# KiCad board mtt_final.kicad_pcb (continued)
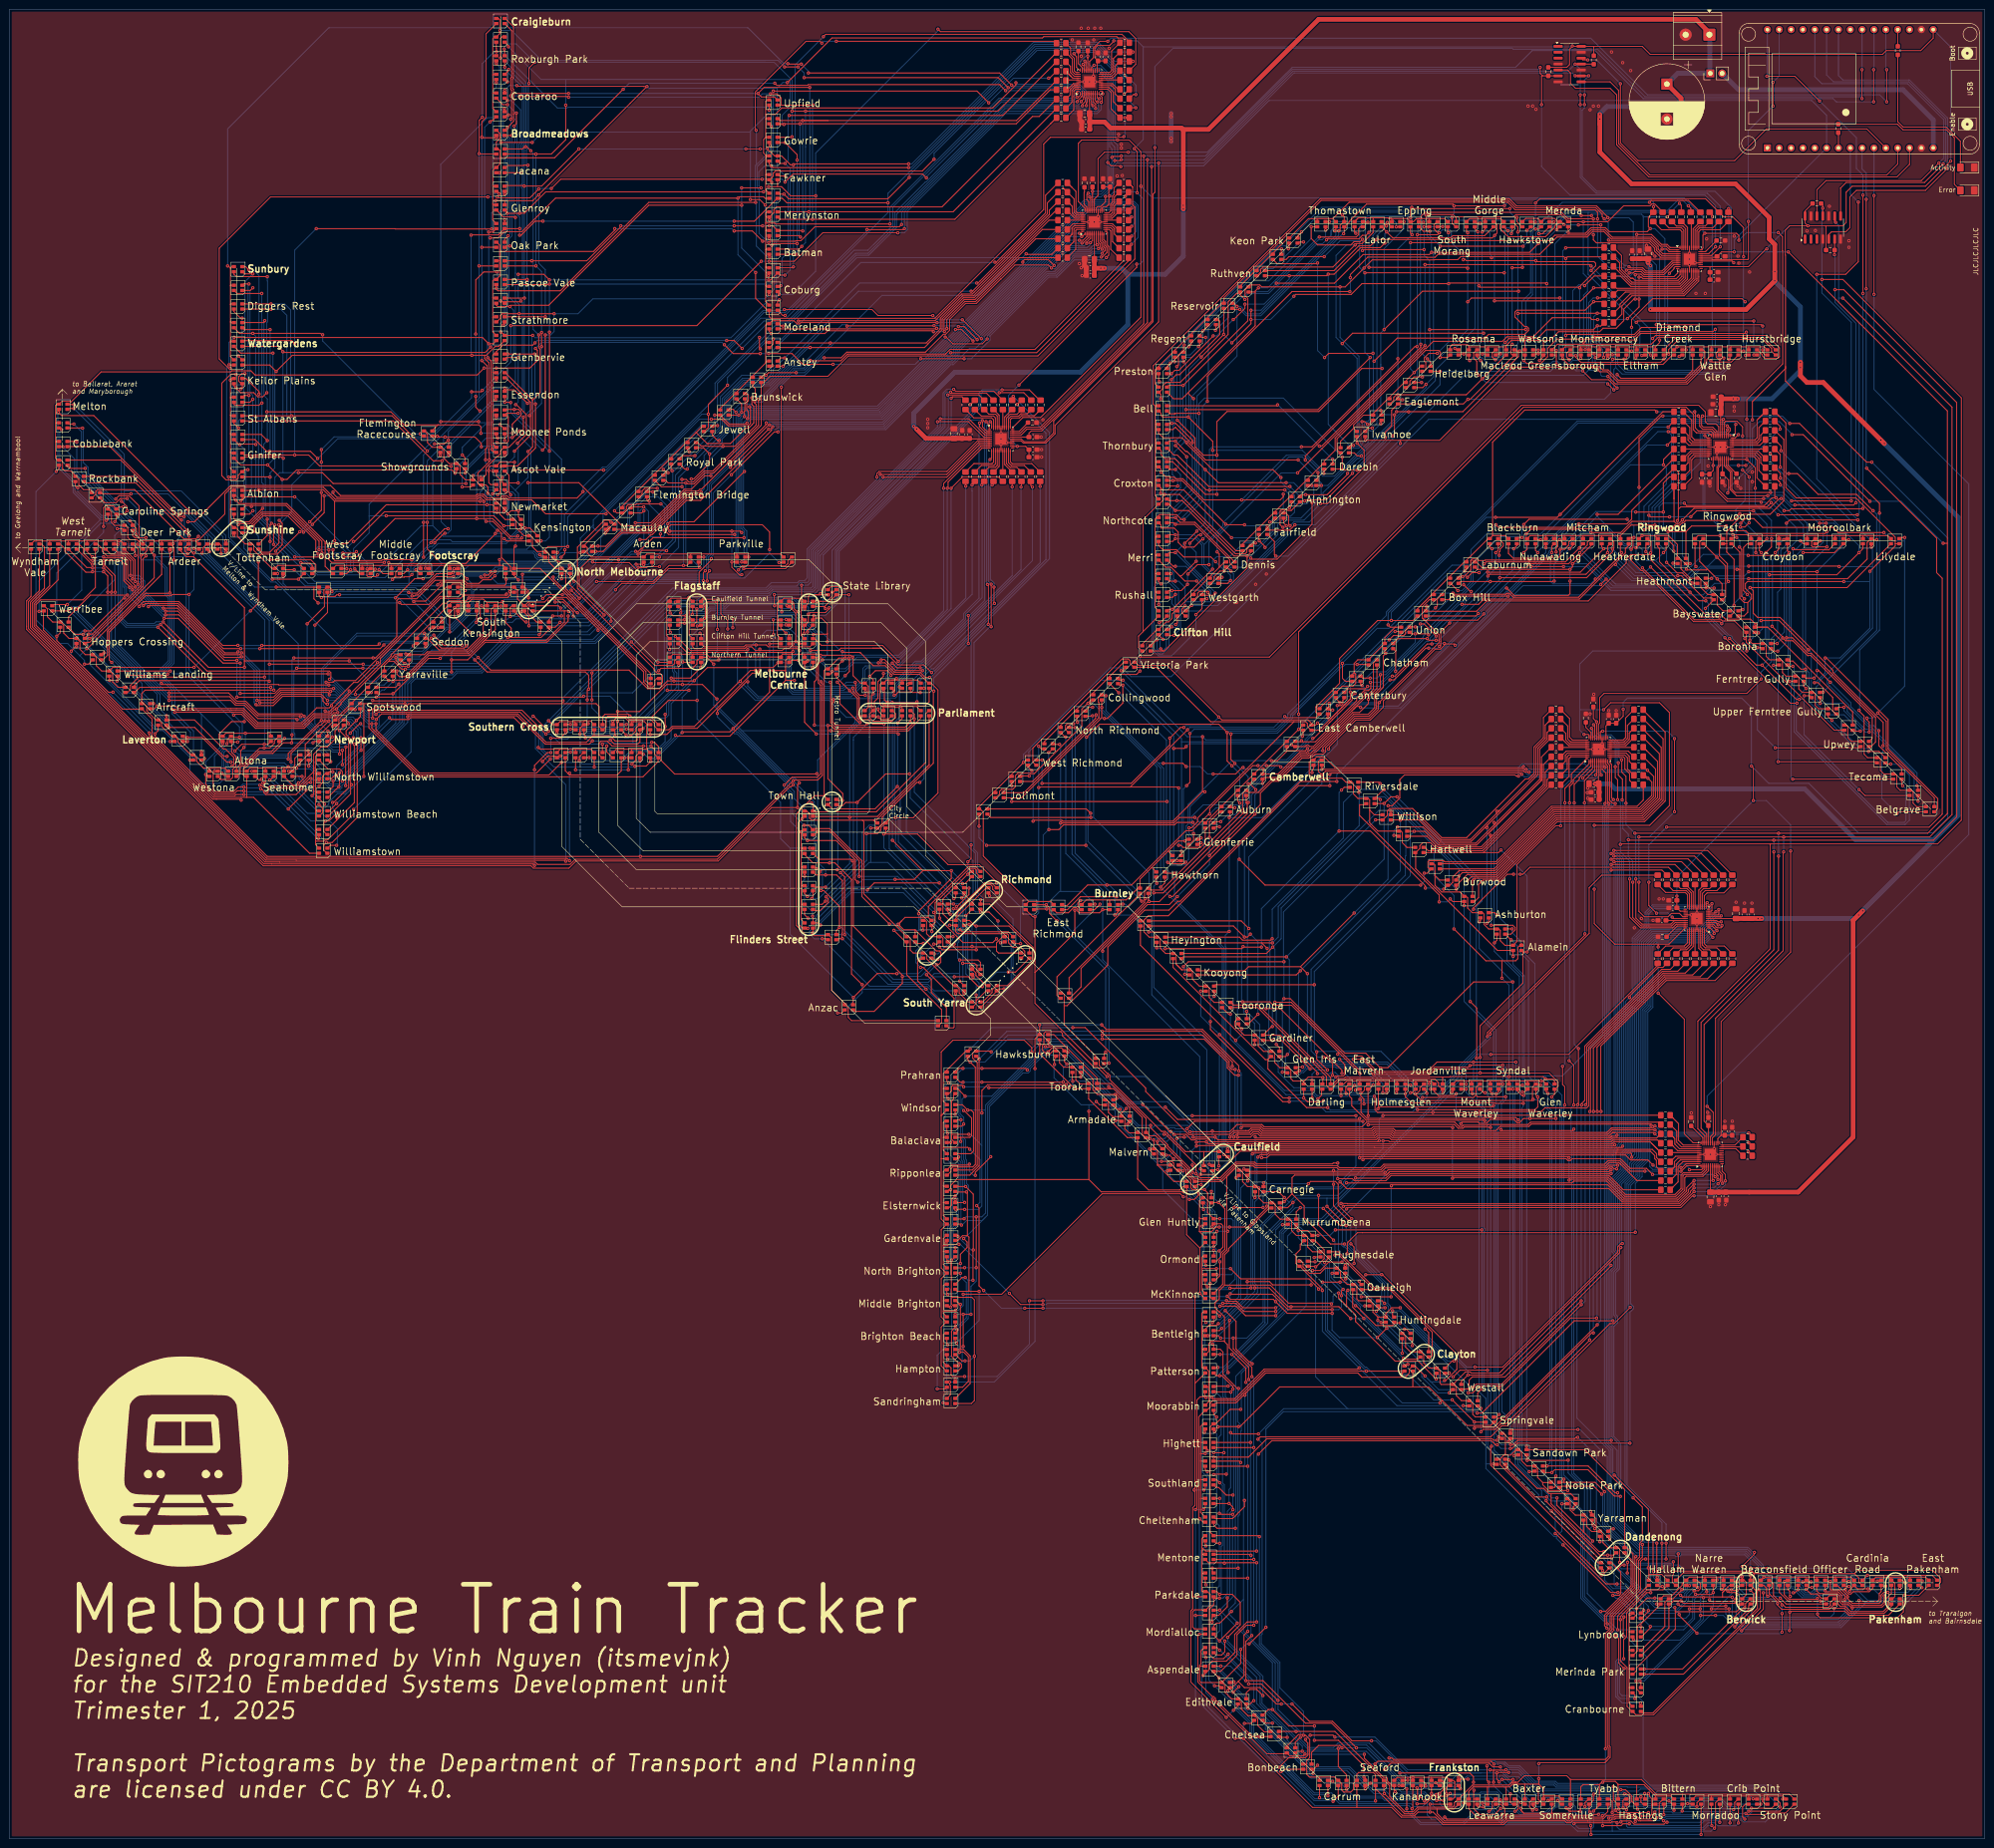
[diagram p0: board, top side]
## Routing (per net, layer and track width the routed paths; a pad name or vN(x,y) marks a point on that pad's centre or on a via; arc(x,y) is an arc through that point) (continued)
  Bottom w0.2: v1(14.66,289.79) 14.66,288.97 19.8,283.84 22.71,283.84 24.25,282.3 24.25,277.23 24.11,277.08 24.11,261.93 25.34,260.7 31.1,260.7 31.47,261.06 32.95,261.06 v1(32.98,261.03) ; v1(141.6,280.5) 141.8,280.7 141.8,285.65 141.83,285.68 141.83,286.77 v1(138.9,289.7) ; 78.67,248.34 83.86,253.54 87.92,253.54 93.88,259.5 94.95,259.5 99.95,264.5 v1(101.25,264.5) 104.39,264.5 105.6,263.29 v1(109.8,263.29) ; 78.67,248.34 77.21,248.34 v1(72.88,252.68) ; 78.67,248.34 78.67,247.85 79.03,247.49 80.35,247.49 v1(81.36,248.5) ; v1(50.37,239.65) 50.37,251.27 v1(50.4,251.3) ; v1(111.4,260.2) 124.3,260.2 134.96,270.86 156.7,270.86 157.02,271.17 v1(157.03,271.17) ; v1(157,280.2) 156.6,280.6 156.6,304.75 157,305.15 v1(157,306) 157.3,305.7 158.39,305.7 158.39,305.7 186.77,305.7 230.8,349.74 230.8,350.2 231,350.4 240.85,350.4 241.2,350.05 241.2,346.5 v1(240.6,345.9) ; v1(154.9,280.5) v1(154.9,273.9) ; v1(64.65,227.45) 65,227.1 66,227.1 v1(66.4,226.7) ; v1(55.25,224.6) 50.5,224.6 v1(50.3,224.8) ; v1(21.49,248.49) 21.49,248.21 24.45,245.25 24.48,245.25 31.6,238.13 33.14,238.13 42.1,229.17 v1(42.1,228.3) 42.1,231 45.73,234.63 v1(45.73,234.9)
Net-(D101-GK): length 421.1
  Top w0.2: v1(141.17,282.08) 141.58,282.5 146.77,282.5 157.57,293.3 v1(157.6,293.3) ; v1(137.98,288.92) 137.89,289 D83.4 ; 44.59,229 v1(43.98,229) 43.7,228.72 43.7,225.18 44.28,224.6 48.07,224.6 49.07,225.6 v1(50.3,225.6) ; v1(105.37,264.42) 104.28,264.42 ; v1(49.34,236.29) 47.74,236.29 ; v1(118.2,264) 117.7,264.5 D131.4 ; v1(66.4,225.8) 67.15,226.55 67.15,227.9 67.75,228.5 D113.4 68.58,228.88 v1(69.34,228.88) ; 47.42,236.5 46.74,235.82 46.74,235.02 v1(46.63,234.91) ; 103.98,264.42 103.3,263.73 103.3,259.07 98.45,254.22 89.75,254.22 84.84,249.3 83.6,249.3 83.1,249.8 v1(83.1,250.5) D119.4 ; v1(38.23,275.66) 37.68,276.21 37.68,277.09 38.34,277.75 ; 239.93,347.23 v1(240.6,347.9) ; v1(158.5,274.95) D89.4 ; v1(34.5,250.5) D95.4 ; v1(53.9,225.2) 54.1,225.2 54.6,224.7 54.6,224.4 55,224 61.48,224 64.08,226.6 v1(64.6,226.6) ; D137.4 26.57,292.25 v1(38.17,280.65) ; v1(111.5,264.64) 112.06,264.64 ; v1(158.27,304.66) 158.4,304.79 158.4,306.18 158.1,306.48 158.1,308.25 158.22,308.25 158.45,308.48 158.45,309.7 158.15,310 D77.4
  Bottom w0.2: v1(137.98,288.92) 137.98,287.88 138,287.86 ; 37.93,249.9 37.93,275.36 v1(38.23,275.66) 37.92,275.97 37.92,280.4 v1(38.17,280.65) ; 37.93,249.9 35.1,249.9 v1(34.5,250.5) ; 37.93,249.9 49.34,238.48 v1(49.34,236.29) ; v1(66.4,225.8) 65.1,225.8 64.6,226.3 v1(64.6,226.6) ; v1(43.98,229) 43.98,232.18 46.63,234.83 v1(46.63,234.91) ; v1(118.2,264) 118.54,264 134.8,280.26 134.8,286.02 136.64,287.86 138,287.86 ; v1(141.17,282.08) 141.15,282.1 141.15,282.44 141.05,282.54 141.05,283.75 141.05,283.75 141.05,285.9 139.09,287.86 138,287.86 ; v1(105.37,264.42) 105.6,264.64 v1(111.5,264.64) ; v1(240.6,347.9) 239.1,349.4 231.6,349.4 187.1,304.9 158.72,304.9 158.48,304.66 v1(158.27,304.66) 157.4,303.79 157.4,293.5 v1(157.6,293.3) 157.6,293.3 157.4,293.1 157.4,281.21 158.1,280.52 158.1,275.35 v1(158.5,274.95) ; v1(69.34,228.88) 69.34,228.02 69.91,227.44 70.52,227.44 70.98,227.9 71.44,227.9 82.85,239.31 82.85,250.5 82.85,250.5 v1(83.1,250.5) ; v1(53.9,225.2) 53.9,225.4 53.9,225.4 50.6,225.4 50.4,225.6 v1(50.3,225.6)
Net-(D101-RK): length 441.6
  Top w0.2: v1(70.17,228.05) 69.69,228.05 69.04,227.4 D113.1 ; v1(82.25,248.27) 82.2,248.32 82.2,248.54 ; D95.1 23.2,248.47 v1(23.09,248.36) ; 139.6,279.08 157.48,279.08 v1(157.5,279.1) ; 139.6,279.08 v1(139.6,279.9) ; 139.6,279.08 137.98,279.08 135.7,276.8 135.5,276.8 134.85,276.15 134.56,276.15 134.56,276.15 v1(134.28,276.15) ; D137.1 16.26,290.85 27.13,290.85 v1(38.53,279.45) ; v1(157.6,305.1) 157.6,306.2 157.7,306.3 D77.1 ; 101.45,256.65 104.2,259.4 D125.1 ; 101.45,256.65 98.62,253.82 89.92,253.82 84.65,248.54 82.2,248.54 ; 101.45,256.65 101.89,257.09 115.1,257.09 119,260.98 119,263.4 119,263.4 ; 82.2,248.54 D119.1 ; D83.1 136.7,287.21 136.97,286.94 v1(137.2,286.94) ; 119,263.4 D131.1 ; 119,263.4 119.8,263.4 v1(119.94,263.25) ; v1(48.1,241.06) 48.26,241.06 48.46,241.26 49.74,241.26 52.79,238.21 63.2,238.21 65.5,240.5 69.23,240.5 69.68,240.95 69.79,240.95 v1(69.8,240.93) ; v1(39.55,275.82) 39.28,275.82 D143.1 ; D101.1 45.37,227.23 47.44,227.23 47.9,227.69 47.9,229.4 48.55,230.05 48.55,232.15 47.66,233.03 47.66,235.27 v1(48.96,235.27) ; v1(38.53,266.92) 34.98,266.92 34.7,266.64 29.21,266.64 21.44,258.87 21.44,252.86 v1(21.95,252.35) ; 157.86,273.79 157.11,273.79 v1(157,273.9) ; 240.02,349.22 v1(240.6,349.8)
  Bottom w0.2: 74.77,234.33 71.92,231.48 71.53,231.48 70.17,230.12 v1(70.17,228.05) ; 74.77,234.33 74.76,234.34 74.76,237.99 72.94,239.8 70.9,239.8 69.8,240.9 v1(69.8,240.93) ; 74.77,234.33 79.27,238.84 79.27,245.81 79.88,246.42 80.4,246.42 v1(82.25,248.27) ; v1(157,273.9) 157.5,274.4 v1(157.5,279.1) 157.5,279.77 157.46,279.81 157.6,279.95 157.6,280.45 157,281.05 157,304.5 v1(157.6,305.1) 157.7,305.1 157.9,305.3 158.55,305.3 158.55,305.3 186.93,305.3 231.43,349.8 v1(240.6,349.8) ; v1(139.6,279.9) 139.62,279.92 139.62,283.78 137.2,286.2 v1(137.2,286.94) ; v1(23.09,248.36) 23.09,251.16 21.95,252.3 v1(21.95,252.35) ; v1(48.96,235.27) 49.17,235.27 49.94,236.04 49.94,239.23 38.53,250.64 v1(38.53,266.92) 39.55,267.94 v1(39.55,275.82) 38.53,276.84 v1(38.53,279.45) ; v1(119.94,263.25) 120.45,263.25 133.35,276.15 v1(134.28,276.15)
Net-(D102-BK): length 475.5
  Top w0.2: D96.2 25.35,245.9 25.95,246.5 25.95,247.42 27.73,249.2 v1(54.7,249.2) ; D126.2 106.4,260.9 107.6,259.7 v1(107.6,258.3) ; v1(71.4,226.9) 71.4,228.91 70.8,229.5 68.3,229.5 D114.2 ; 131.5,284.4 132.3,285.2 132.3,285.79 132.68,286.18 134.29,286.18 134.45,286.34 v1(139.7,286.34) ; v1(151.23,305.4) D78.2 154.3,303.5 157.96,303.5 v1(158.16,303.7) ; v1(201.82,318.78) 201.85,318.8 220.26,318.8 239.93,338.47 R38.2 ; D84.2 130.22,284.4 v1(129.75,284.86) ; 17.76,287.65 18.53,288.42 18.53,289.02 18.93,289.42 26.84,289.42 37.44,278.82 39.99,278.82 v1(40.54,279.37) ; v1(48.36,233.34) 49.81,234.79 v1(54.66,234.79) 55.46,234.79 D108.2 ; D120.2 84.67,252.13 v1(84.81,252.13) ; v1(113.6,258.3) 113.9,258.6 D132.2 ; v1(45.61,228.54) 46.09,228.05 46.75,228.05 ; v1(141.11,281.14) 141.11,281.18 141.8,281.87 161.43,281.87 162.99,280.31 v1(162.99,276.55) ; v1(39.55,276.81) 40.49,276.81 ; v1(165.02,273.78) 165.93,273.78
  Bottom w0.2: v1(162.99,276.55) 162.99,275.8 ; 162.99,275.8 v1(165.02,273.78) ; 162.99,275.8 157.65,270.46 136.6,270.46 124.43,258.29 106.6,258.29 100.44,252.13 v1(84.81,252.13) 84.2,251.52 84.2,239.52 71.58,226.9 v1(71.4,226.9) 71.4,226.72 70.95,226.28 68.85,226.28 62.51,232.61 49.1,232.61 v1(48.36,233.34) 48.01,233.7 46.1,233.7 45.61,233.21 v1(45.61,228.54) ; v1(158.16,303.7) 158.96,304.5 187.27,304.5 201.57,318.8 201.8,318.8 v1(201.82,318.78) ; v1(129.75,284.86) 139.64,294.75 139.87,294.75 148.67,303.55 150.85,303.55 151.23,303.93 v1(151.23,305.4) ; v1(54.66,234.79) 54.73,234.86 54.73,261.5 39.55,276.68 v1(39.55,276.81) 40.54,277.8 v1(40.54,279.37) ; v1(139.7,286.34) 140.45,285.59 140.45,281.95 141.11,281.29 v1(141.11,281.14)
Net-(D102-GK): length 435.7
  Top w0.2: v1(156.33,272.18) 156.33,272.27 157.11,273.05 166.4,273.05 166.92,273.57 166.92,274.18 167.69,274.95 ; 68.05,232.65 67.65,232.65 v1(67.5,232.5) ; D126.4 107.75,264.5 107.4,264.15 v1(107.4,262.2) ; v1(55.76,251.97) 75.84,251.97 v1(75.86,251.96) ; v1(26.09,288.51) 19.69,288.51 ; v1(155.8,306) 155.14,306.66 154.36,306.66 ; v1(140.43,280.73) 141.38,279.78 v1(155.5,279.78) ; 239.93,341.43 v1(240.55,342.05) ; 57.8,236.5 56.82,235.52 56.82,234.99 55.82,233.99 v1(54.64,233.99) 53.69,233.99 50.65,230.95 50.2,230.5 49.57,230.5 48.7,229.63 D102.4 ; v1(136,285.7) 133.4,285.7 ; v1(55.73,248.3) 55.58,248.45 27.88,248.45 26.7,247.27 D96.4 ; v1(85,254.14) 85.56,254.14 ; v1(118.39,262.32) 116.5,262.32 115.7,261.52 D132.4 ; D120.4 88.97,254 89.59,254.62 98.28,254.62 101.6,257.93 101.6,260.9 v1(102.3,261.6) ; 42.31,277.71 41.54,276.94 41.54,276 v1(41.31,275.77) ; v1(43.55,277.71) 42.74,277.71
  Bottom w0.2: v1(85,254.14) 84.86,254.28 81.91,254.28 79.32,251.7 76.12,251.7 v1(75.86,251.96) ; v1(67.5,232.5) 66.01,233.99 v1(54.64,233.99) 54.72,233.99 55.41,234.67 55.41,247.98 v1(55.73,248.3) 55.73,251.97 ; v1(43.55,277.71) 43.55,278.96 34,288.51 v1(26.09,288.51) ; v1(140.43,280.73) 140.43,279.53 140.2,279.3 137.6,279.3 137.03,279.87 137.03,284.76 136.09,285.7 v1(136,285.7) 135.21,284.91 135.21,280.1 118.39,263.28 v1(118.39,262.32) ; 55.73,251.97 v1(55.76,251.97) ; 55.73,251.97 55.73,261.35 v1(41.31,275.77) ; 240.6,342.1 242,343.5 242,350.38 241.18,351.2 230.67,351.2 230,350.53 230,350.07 187.83,307.9 187.8,307.9 186.4,306.5 158.3,306.5 157.8,307 156.59,307 155.8,306.22 v1(155.8,306) 155.8,280.08 v1(155.5,279.78) 155.73,279.78 155.77,279.75 155.77,272.74 v1(156.33,272.18) ; v1(102.3,261.6) 106.8,261.6 v1(107.4,262.2) 116.4,262.2 v1(116.5,262.3)
Net-(D102-RK): length 447
  Top w0.2: 108.15,263.4 110.52,261.03 v1(110.8,261.03) ; R36.2 240.51,343.8 v1(240.6,343.8) ; 26.84,245.87 27.97,247 v1(56.05,247) ; v1(136.04,284.87) 135.58,284.4 D84.1 ; v1(118.08,260.94) 117.03,259.9 116.21,259.9 ; v1(25.25,287.5) 23.81,287.5 22.9,286.6 20.5,286.6 D138.1 ; v1(157.45,272.45) 166.4,272.45 D90.1 ; v1(42.9,276.1) 42.45,276.55 ; v1(106.86,257.69) 114,257.69 116.21,259.9 ; 116.21,259.9 D132.1 ; v1(68.9,231.04) 68.56,231.04 D114.1 ; v1(156.4,305.4) D78.1 ; D120.1 85.7,251.72 v1(85.49,251.51) 84.1,251.51 82.87,252.74 v1(82.87,253.4) ; 48.78,227.9 49.5,228.62 49.5,229.87 49.73,230.1 50.37,230.1 50.53,230.27 53.33,233.07 53.48,233.22 56.19,233.22 v1(59,236.03) ; v1(61.6,251.1) v1(75.8,251.1)
  Bottom w0.2: v1(56.05,247) 56.05,236.85 56.87,236.03 v1(59,236.03) 61.2,236.03 ; v1(240.6,343.8) 241.6,344.8 241.6,350.22 241.02,350.8 230.83,350.8 230.4,350.37 230.4,349.9 186.6,306.1 158.22,306.1 158.1,306.1 157.6,306.6 156.75,306.6 156.4,306.25 v1(156.4,305.4) 156.2,305.2 156.2,279.33 156.19,279.32 156.19,273.64 157.38,272.45 ; v1(85.49,251.51) 100.68,251.51 v1(106.86,257.69) ; 157.38,272.45 157.38,272.38 156.26,271.26 136.37,271.26 135.41,272.22 ; 157.38,272.45 v1(157.45,272.45) ; v1(25.25,287.5) 27.79,284.97 36.98,284.97 42.57,279.37 42.57,276.43 v1(42.9,276.1) 42.9,275.39 61.95,256.34 61.95,251.45 v1(61.6,251.1) 61,250.5 61,237.25 61.22,237.03 61.22,236.05 61.2,236.03 ; 61.2,236.03 65.07,236.03 68.9,232.2 v1(68.9,231.04) ; v1(136.04,284.87) 136.04,276.97 135.41,276.34 135.41,272.22 ; v1(75.8,251.1) 79.29,251.1 81.19,253 82.47,253 v1(82.87,253.4) ; v1(110.8,261.03) 111.01,260.82 117.96,260.82 v1(118.08,260.94) 124.14,260.94 135.41,272.22
Net-(D103-BK): length 466.6
  Top w0.2: D139.2 21.15,282.97 20.98,282.8 v1(20.79,282.8) ; v1(43.55,276.88) 44.42,276.88 ; v1(127.8,280.08) 127.91,280.08 128.62,280.78 v1(128.62,281.28) 128.28,281.28 D85.2 ; 149.01,301.9 149.86,302.76 v1(149.86,305.6) 149.86,307.71 v1(153.97,311.82) ; D97.2 30.6,240.2 30.6,236.58 43.78,223.4 50.9,223.4 ; v1(198.12,323.3) 198.1,323.3 197.9,323.5 175.45,323.5 174.85,322.9 v1(163.37,322.9) 162.9,323.37 D73.2 ; D133.2 10.65,306.15 v1(10.5,306) 11.2,305.3 18.1,305.3 36.4,287 36.4,286.96 v1(38.38,284.98) ; D109.2 64.36,211.4 52.36,223.4 50.9,223.4 ; 50.9,223.4 D103.2 50.45,227.9 50.15,228.2 50.15,229.42 50.38,229.65 50.49,229.65 53.65,232.82 56.45,232.82 58.74,235.1 v1(60.5,235.1) 60.6,235.2 v1(60.6,236.8) ; v1(65.1,235.1) 65.4,235.4 D115.2 ; 28.33,242.33 24.26,242.33 7.29,259.3 7.29,263.29 v1(6.37,263.29) ; 87.1,256.4 v1(86.6,255.9) ; R23.2 220.05,343.22 207,330.17 204.69,330.17 200.4,325.87 200.4,323.43 v1(200.47,323.35) ; v1(104.11,270.92) 103.26,270.07 101.5,270.07 100.73,269.3 98.17,269.3 97.52,269.95 91.29,269.95 87.33,266 86.95,266 83.45,266 83.07,265.62 83.07,257.87 78.5,253.3 v1(78,253.3) v1(61,253.3)
  Bottom w0.2: v1(153.97,311.82) 153.97,313.49 v1(163.37,322.9) ; 19.51,282.98 20.6,282.98 v1(20.79,282.8) ; 19.51,282.98 13.66,288.84 13.66,290.95 10.4,294.21 10.4,305.9 v1(10.5,306) ; 19.51,282.98 6.37,269.84 v1(6.37,263.29) ; v1(78,253.3) 79.79,253.3 81.63,255.14 85.84,255.14 v1(86.6,255.9) ; v1(198.12,323.3) 200.42,323.3 v1(200.47,323.35) ; v1(43.55,276.88) 43.56,276.88 44.18,277.5 ; 43.79,277.11 44.15,277.46 44.15,279.21 v1(38.38,284.98) ; v1(149.86,305.6) 148.47,305.6 127.3,284.43 127.3,282.59 v1(128.62,281.28) ; v1(65.1,235.1) v1(60.5,235.1) ; v1(127.8,280.08) 126.8,279.08 126.8,276.4 125.95,275.55 124.52,275.55 120.76,271.8 117.13,271.8 116.94,271.99 105.06,271.99 104.88,271.82 104.88,271.68 104.1,270.9 ; v1(60.6,236.8) 60.6,252.9 v1(61,253.3)
Net-(D103-GK): length 453.4
  Top w0.2: v1(165.9,324.5) 165.55,324.5 165.09,324.96 164.74,324.96 ; D109.4 68.8,213.1 v1(70.17,213.1) ; v1(218,340) 218.12,339.88 223.49,339.88 R22.2 ; D91.4 9.47,264.76 v1(12.44,264.76) ; v1(101,258.21) 101,257.9 98.12,255.02 92.13,255.02 89.65,257.5 D121.4 89.2,258.55 89.14,258.61 v1(89.01,258.61) ; v1(20.19,281.5) 20.19,285.52 20.57,285.9 22.3,285.9 D139.4 23.4,285.7 v1(24.42,285.7) ; v1(52,229) D103.4 ; v1(13.84,307.66) 13.83,307.67 12.53,307.67 ; v1(68.32,237.61) 68.2,237.49 D115.4 ; v1(59.8,231.61) 59.8,232.8 v1(66.9,239.9) ; v1(30.91,243.51) 30.21,243.51 ; v1(127.52,262.52) 121.8,268.24 121.8,277.07 127.59,282.86 128.54,282.86 v1(129,282.4) 129.3,282.4 D85.4 ; 150.85,303.15 v1(151.83,303.15) ; D127.4 46.45,278.36 v1(46.41,278.4)
  Bottom w0.2: 24.64,289.14 36.84,289.14 46.42,279.56 46.42,278.41 v1(46.41,278.4) 46.51,278.3 47.36,278.3 56.06,269.6 57.11,269.6 71.31,255.4 ; 24.64,289.14 24.64,285.92 v1(24.42,285.7) ; 24.64,289.14 24.64,297 13.98,307.66 v1(13.84,307.66) ; 71.31,255.4 74.52,258.61 89,258.61 v1(89.01,258.61) ; 71.31,255.4 66.9,250.99 66.9,239.03 v1(68.32,237.61) ; v1(218,340) 217.2,339.2 181.7,339.2 167.06,324.56 165.96,324.56 v1(165.9,324.5) 165.84,324.56 164.17,324.56 151.83,312.23 v1(151.83,303.15) 148.83,303.15 140.04,294.35 139.95,294.35 131.85,286.25 131.85,284.96 129.29,282.4 v1(129,282.4) ; v1(20.19,281.5) 20.19,280.22 15.52,275.54 15.52,267.84 v1(12.44,264.76) 12.44,263.84 28.45,247.83 28.45,245.98 v1(30.91,243.51) ; v1(127.52,262.52) 123.9,258.9 106.64,258.9 106.04,258.3 101.09,258.3 v1(101,258.21) ; v1(70.17,213.1) 70.32,213.25 70.32,216.66 67.01,219.96 63.9,219.96 54.86,229 v1(52,229) 48.05,229 46.9,230.15 46.9,231.2 47.25,231.55 48.64,231.55 48.9,231.81 59.39,231.81 59.59,231.61 v1(59.8,231.61)
Net-(D103-RK): length 449.9
  Top w0.2: v1(13.84,306.83) 12.63,306.83 ; v1(78.92,252.3) 74.67,248.05 73.82,248.05 69.07,243.3 v1(69.07,243.08) 68.59,242.6 65.9,242.6 62.7,239.41 53.29,239.41 50.24,242.46 48.68,242.46 48.68,242.46 47.52,242.46 47.52,242.46 36.14,242.46 35.6,243 v1(31.69,243) 31.09,242.4 D97.1 ; D91.1 12.74,263.4 v1(13.27,263.93) ; 23.52,284.15 22.9,283.52 22.9,282.82 v1(22.61,282.54) ; 23.52,284.15 24.54,284.15 v1(25.25,284.86) 25.25,285.75 24.12,286.88 v1(24.04,286.88) ; 23.52,284.15 D139.1 ; v1(152.2,299.95) 151.85,299.95 150.7,301.1 D79.1 ; D85.1 137.25,280.9 144.82,288.47 144.83,288.47 145.07,288.7 148.1,288.7 v1(148.3,288.9) ; D73.1 198.65,323.9 198.77,324.02 v1(198.8,324.02) ; 68.09,211.4 67.43,212.06 67.43,213.17 v1(67.98,213.71) 69.21,213.71 74.58,219.08 74.58,235.38 v1(73.76,236.2) ; v1(69.23,236.34) 68.29,235.4 ; v1(40.1,284.33) v1(36.76,284.33) ; v1(201,323.96) 201,325.91 204.86,329.77 207.17,329.77 216.57,339.17 R21.2 ; D103.1 53.55,227.05 53.82,227.05 v1(54.06,227.3) ; v1(89.27,255.73) 89.2,255.8 D121.1 ; v1(46.45,276) D127.1
  Bottom w0.2: v1(31.69,243) 31.69,245.51 v1(13.27,263.93) 13.67,264.33 16.83,264.33 22.6,270.1 22.6,279.6 23.75,280.75 23.75,281.67 22.89,282.54 v1(22.61,282.54) ; v1(40.1,284.33) 40.8,284.33 41.55,283.58 41.55,283.55 45.81,279.3 45.81,276.14 45.95,276 v1(46.45,276) ; 70.03,238.34 72.99,238.34 73.76,237.57 v1(73.76,236.2) ; 70.03,238.34 69.23,237.53 v1(69.23,236.34) ; 70.03,238.34 70.03,238.72 69.1,239.65 69.1,243.05 v1(69.07,243.08) ; v1(133.61,281.1) 133.61,281 132.48,279.87 131.44,279.87 125.73,274.17 125.73,273.53 120.65,268.45 100.45,268.45 99.51,267.51 99.51,264.65 94.76,259.9 93.71,259.9 88.55,254.74 81.8,254.74 79.36,252.3 v1(78.92,252.3) ; v1(54.06,227.3) 54.38,227.3 v1(67.98,213.71) ; v1(25.25,284.86) 25.75,284.36 31.8,284.36 31.83,284.33 v1(36.76,284.33) ; v1(13.84,306.83) 24.04,296.62 v1(24.04,286.88) ; v1(201,323.96) 201,323.95 198.86,323.95 v1(198.8,324.02) ; v1(175,323.9) 174.74,323.9 167.66,316.81 167.66,316.81 162.95,312.1 157.7,312.1 154.04,308.44 154.04,302.07 152.2,300.23 152.2,299.95 v1(152.2,299.95) 152.2,299.85 152.13,299.77 151.97,299.77 148.95,296.75 148.95,289.55 v1(148.3,288.9)
Net-(D104-BK): length 466.4
  Top w0.2: v1(54.36,226.47) 54.68,226.47 54.9,226.7 D104.2 ; v1(22.23,245.96) 21.21,245.96 10.17,257 v1(10.17,257.95) 10.9,258.69 D92.2 ; 163.01,319.9 163.78,320.67 v1(163.78,321.7) ; D86.2 122.89,275.89 v1(122.4,275.89) ; v1(66.25,214.59) 66.4,214.74 D110.2 ; v1(82.8,266.2) 86.9,270.3 v1(88.7,270.3) ; D98.2 31.9,237.68 v1(31.23,237.01) 31.23,236.52 43.94,223.8 48.4,223.8 48.6,224 v1(50.3,224) ; v1(68.5,239.8) 63.44,234.74 63.44,232.31 63.45,232.3 63.45,227.76 62.19,226.5 v1(62,226.5) ; 69.6,238.9 v1(69.3,238.6) ; v1(161,319.6) 160.83,319.77 v1(160.83,322.07) ; v1(63.6,225) 63.6,224.7 v1(59.8,220.9) ; R26.2 224.31,349.22 206.89,331.81 206.46,331.37 204.2,331.37 198.48,325.65 169.25,325.65 v1(169.16,325.56) ; v1(145.78,297.52) 145.4,297.9 D80.2 ; v1(90.1,259.5) 90.28,259.68 91.13,259.68 ; v1(66.9,266.25) 66.4,266.75 D128.2 ; v1(23.13,281.01) 24.29,281.01 D140.2 ; D134.2 11,302.3 v1(11.2,302.3)
  Bottom w0.2: 57.9,222.8 54.49,226.21 54.49,226.34 v1(54.36,226.47) ; 57.9,222.8 57.4,223.3 ; 57.9,222.8 v1(59.8,220.9) 66.11,214.59 v1(66.25,214.59) ; v1(161,319.6) 161,319.96 162.74,321.7 v1(163.78,321.7) 165.58,321.7 169.16,325.28 v1(169.16,325.56) ; v1(22.23,245.96) 31.18,237.01 v1(31.23,237.01) ; v1(63.6,225) 63.5,225 v1(62,226.5) ; v1(88.7,270.3) 90.09,271.69 90.09,274.01 91.87,275.8 112.3,275.8 112.65,275.45 112.65,274.98 113.21,274.43 116.86,274.43 118.33,275.89 v1(122.4,275.89) 122.4,278.98 125.21,281.79 ; 160.9,322 160.9,322.1 ; 160.9,322 160.9,321.86 151.3,312.26 151.3,309 125.21,282.91 125.21,281.79 ; 160.9,322 v1(160.83,322.07) ; v1(66.9,266.25) 83.45,266.25 90.1,259.6 v1(90.1,259.5) 90.1,258.9 89.61,258.41 89.61,258.36 89.25,258.01 88.76,258.01 88.76,258.01 74.49,258.01 67.3,250.82 67.3,243.2 68.5,242 v1(68.5,239.8) 68.5,239.4 v1(69.3,238.6) ; 21.92,282.2 23.1,281.01 v1(23.13,281.01) ; 21.92,282.2 19.56,282.2 14.94,277.58 14.94,276.3 10.17,271.53 v1(10.17,257.95) ; 21.92,282.2 21.39,282.73 21.39,283.04 21,283.44 19.63,283.44 14.06,289.01 14.06,291.12 10.8,294.38 10.8,301.7 11.2,302.1 v1(11.2,302.3) ; 57.4,223.3 56.7,224 v1(50.3,224) ; 57.4,223.3 54.87,225.83 ; 125.21,281.79 125.21,281.21 125.2,281.2 125.72,280.68 132.15,280.68 132.58,281.1 132.58,285.24 144.86,297.52 v1(145.78,297.52)
Net-(D104-GK): length 442.2
  Top w0.2: 26.55,281.75 27.24,281.06 27.24,279.73 v1(27.18,279.67) ; D128.4 68.61,268.5 69.15,267.96 v1(69.15,267.52) ; v1(70.17,219.08) 70.17,218.47 ; 70.17,218.47 73.96,222.26 v1(73.96,234.8) ; 70.17,218.47 D110.4 ; v1(148.37,288.1) 148.18,288.3 145.23,288.3 139.97,283.03 139.95,283.03 137.42,280.5 131.1,280.5 127.85,277.25 D86.4 ; 14.5,263.9 17.38,266.78 v1(25.31,266.78) ; 14.5,263.9 12.7,262.1 D92.4 ; 14.5,263.9 v1(14.33,263.73) ; v1(33.7,240.9) D98.4 39.7,240 45.91,233.79 46.31,233.79 48.1,232 48.1,230.45 v1(47.78,230.12) ; v1(25.82,282.74) 26.45,282.11 D140.4 ; v1(92.68,261.89) 92.7,261.88 D122.4 ; v1(63.86,260.62) 67.56,264.32 67.56,266.45 67.44,266.56 67.44,267.84 68.1,268.5 ; D116.4 72.2,240 72.7,239.5 v1(72.7,239.2) ; v1(101.94,271.08) 102.68,271.08 103.2,271.6 v1(103.2,271.8) ; R25.2 222.92,347.22 206.67,330.97 204.36,330.97 199.6,326.2 199.6,323.9 196.57,320.87 164.83,320.87 ; v1(95.23,270.79) 95.19,270.75 91.52,270.75 87.57,266.8 87.1,266.8 86.9,266.6 v1(86.33,266.6) ; v1(57.8,228.73) 56.97,228.73 D104.4 ; v1(159.8,308.3) 159.8,308 160.1,307.7 160.1,303.25 155.55,298.7 150,298.7 149.9,298.8 148.3,298.8 147.6,299.5 D80.4 ; v1(13.84,303.48) 12.72,303.48 D134.4
  Bottom w0.2: v1(153,298.7) 149.7,295.4 149.7,289.43 v1(148.37,288.1) ; v1(14.33,263.73) 14.33,263.45 32.3,245.48 32.3,242.3 v1(33.7,240.9) ; v1(25.82,282.74) 15.46,293.1 15.46,301.85 v1(13.84,303.48) ; v1(92.68,261.89) 87.98,266.6 v1(86.33,266.6) 86.33,267.49 85.85,267.97 69.6,267.97 v1(69.15,267.52) ; v1(63.86,260.62) 63.86,240.22 69.27,234.8 v1(73.96,234.8) 74.36,235.21 74.36,237.53 72.7,239.2 v1(72.7,239.2) ; v1(25.31,266.78) 25.11,266.98 25.11,268.51 24.91,268.71 24.91,276.61 25.61,277.31 27.05,277.31 27.25,277.11 27.74,277.11 28.1,277.46 28.1,278.75 v1(27.18,279.67) ; v1(101.94,271.08) 101.72,271.08 101.53,271.27 95.71,271.27 v1(95.23,270.79) ; v1(176,320.87) 176,320.57 170.53,315.1 168.29,315.1 161.38,308.19 159.91,308.19 v1(159.8,308.3) ; v1(103.2,271.8) 104.2,272.8 119.65,272.8 119.85,272.6 120.35,272.6 125.05,277.3 v1(126.2,277.3) ; v1(70.17,219.08) 68.68,220.57 65.9,220.57 57.8,228.67 v1(57.8,228.73) 56.75,229.78 48.12,229.78 47.7,230.2
Net-(D104-RK): length 431.2
  Top w0.2: 27.8,279.05 26.95,279.05 26.45,279.55 D140.1 ; 27.8,279.05 27.8,285.95 25.64,288.11 23.51,288.11 v1(22.8,287.4) ; 27.8,279.05 29.25,279.05 v1(29.3,279.1) ; D80.1 148.8,298.4 v1(150.12,297.08) 150.12,295.11 146.72,291.7 v1(146.2,291.7) ; v1(70.3,220.1) 68.52,218.32 v1(67.76,218.32) 67.43,217.99 67.43,216.06 68.09,215.4 ; D98.1 33.7,238.51 33.81,238.4 v1(34.2,238.4) 39.75,238.4 45.95,232.2 v1(46.7,232.2) ; v1(15.7,302.6) 15.65,302.65 D134.1 ; v1(104.12,271.88) 102.72,270.47 101.2,270.47 101.2,270.58 v1(101.11,270.67) ; v1(65.51,260.35) 68.2,263.04 68.2,266.5 ; 69.4,222.3 69.55,222.3 72.76,225.51 72.76,229 72.76,229 72.76,235.74 v1(70.78,237.72) 71.7,238.64 D116.1 ; 86.6,265.5 89.25,265.5 v1(92.7,268.95) ; D74.1 196.2,319.9 196.93,320.63 196.93,320.66 200,323.73 200,326.04 204.53,330.57 206.84,330.57 221.49,345.22 R24.2 ; v1(29.3,275.2) 28.65,274.55 28.65,268.71 17.44,257.5 v1(17.2,257.5) ; v1(15.81,258.35) 14.11,258.35 12.7,259.76 ; 68.2,266.5 69.85,266.5 70.2,266.85 v1(70.8,266.85) ; 68.2,266.5 D128.1 ; D104.1 55.94,227.14 v1(55.85,227.14) ; D86.1 v1(125.7,276.15) 127.32,276.15 131.27,280.1 137.59,280.1 139.29,281.81 139.31,281.81 145.2,287.7 v1(146.3,287.7) ; v1(91.9,259.8) 92.6,259.8
  Bottom w0.2: v1(29.3,279.1) v1(29.3,275.2) ; v1(171.7,319.9) 171.32,319.9 163.11,311.7 157.86,311.7 154.44,308.27 154.44,301.9 152.8,300.26 152.8,300.2 152.8,300.2 152.8,299.7 152.8,299.7 152.8,299.45 150.43,297.08 v1(150.12,297.08) ; v1(125.7,276.15) 124.55,276.15 120.6,272.2 117.3,272.2 117.1,272.39 104.9,272.39 104.38,271.88 v1(104.12,271.88) ; v1(15.7,302.6) 15.86,302.44 15.86,295.22 16.87,294.21 16.87,292.93 22.4,287.4 v1(22.8,287.4) ; v1(67.76,218.32) 64.66,218.32 v1(55.85,227.14) 54.58,228.4 48.08,228.4 46.5,229.98 46.5,232 v1(46.7,232.2) ; 15.81,257.5 15.81,256.97 22.2,250.59 22.2,248.33 24.74,245.79 27.22,245.79 34.2,238.81 v1(34.2,238.4) ; 15.81,257.5 v1(15.81,258.35) ; 15.81,257.5 v1(17.2,257.5) ; v1(91.9,259.8) 91.9,260.18 85.16,266.92 70.87,266.92 v1(70.8,266.85) ; v1(92.7,268.95) 92.7,269 93.89,270.19 95.48,270.19 96.16,270.87 100.91,270.87 v1(101.11,270.67) ; v1(69.3,222.3) 69.3,221.1 v1(70.3,220.1) ; v1(146.3,287.7) 146.3,291.6 v1(146.2,291.7) ; v1(70.78,237.72) 70.78,236.96 69.51,235.7 68.98,235.7 65.51,239.17 v1(65.51,260.35)
  vias: v1(86.7,265.4)
Net-(D105-BK): length 421.4
  Top w0.2: 65.25,229.7 65.25,224.1 v1(64.9,223.75) ; 65.25,229.7 65.25,230.2 ; 65.25,229.7 65.25,228.9 62.25,225.9 ; v1(34.48,235.38) 34.5,235.4 D99.2 ; 65.25,230.2 65.25,232.65 66.8,234.2 68.17,234.2 69.83,235.86 69.83,237.66 70.65,238.48 70.65,240.25 72.8,242.4 D117.2 73.97,242.4 v1(74.13,242.23) ; 65.25,230.2 65.25,228.95 ; 60.9,225.9 62.25,225.9 ; 60.9,225.9 D105.2 ; 60.9,225.9 61.2,225.9 ; 62.25,225.9 61.2,225.9 ; v1(136.01,273.3) 136,273.31 D87.2 ; v1(136.01,273.3) 135.91,273.4 ; v1(136.01,273.3) 135.91,273.4 v1(134.37,273.4) ; v1(142.09,293.44) 141.9,293.64 D81.2 ; v1(27.49,277.71) 28.36,276.84 ; v1(211.3,338.2) 211.58,338.2 222.16,348.77 222.16,352.55 R29.2 ; v1(67.9,248.1) 69.4,248.1 69.75,248.45 74.22,248.45 92.28,266.5 94.13,266.5 ; v1(115.7,265.4) 116.2,265.9 118.71,265.9 121.61,263 v1(121.8,263) ; v1(94.4,266.78) D129.2 ; v1(13.27,254.76) 14.4,255.88 D93.2 ; v1(163.6,316) 163,316 ; 61.2,225.9 55.98,225.9 55.64,225.56 54.59,225.56 54.35,225.8 54.1,225.8 53.9,226 v1(53.72,226) ; v1(66.38,221.83) 67.16,221.06 67.16,220.08 66.48,219.4 ; v1(49.7,222.8) 49.5,223 44.4,223 44.4,223 43.61,223 30,236.61 v1(30,237.22) ; 10.7,298.6 11.5,298.6 v1(11.5,298.6) ; v1(94.4,258.9) v1(94.4,262.6) D123.2 ; v1(16.2,259.1) 17.5,259.1 24.58,266.18 v1(24.71,266.18)
  Bottom w0.2: 24.65,277.7 24.66,277.71 v1(27.49,277.71) ; 24.65,277.7 24.65,277.06 24.51,276.92 24.51,268.54 24.71,268.34 v1(24.71,266.18) ; 24.65,277.7 24.65,282.46 14.06,293.05 14.06,293.14 14,293.2 14,296 11.5,298.5 v1(11.5,298.6) ; v1(94.4,262.6) 94.13,262.87 94.13,266.5 v1(94.4,266.78) ; v1(211.3,338.2) 211.26,338.15 182.59,338.15 163.6,319.16 v1(163.6,316) 163.37,315.77 163.37,314.25 162.41,313.3 157.2,313.3 152.83,308.93 152.83,302.73 151.7,301.6 150.7,301.6 146.38,297.28 146.38,297.27 146.03,296.92 146.02,296.92 142.54,293.44 v1(142.09,293.44) 142.23,293.3 142.23,278.64 136.89,273.3 v1(136.01,273.3) ; v1(49.7,222.8) 49.7,225.85 50.05,226.2 53.52,226.2 v1(53.72,226) ; v1(67.9,248.1) 67.9,245.21 68.31,244.8 70.03,244.8 72.7,242.13 74.03,242.13 v1(74.13,242.23) ; v1(14.4,255.7) 14.4,257.79 15.71,259.1 v1(16.2,259.1) ; v1(13.27,254.76) 13.27,253.94 31.84,235.38 v1(34.48,235.38) ; v1(94.4,258.9) 94.92,258.9 98.82,262.8 109.44,262.8 109.55,262.69 112.99,262.69 v1(115.7,265.4) ; v1(66.38,221.83) 66.38,222.27 v1(64.9,223.75) ; v1(121.8,263) 122.1,262.7 123.33,262.7 134.03,273.4 v1(134.37,273.4)
